# Altium PCB PLD.PcbDoc (part 5 of 5) (continued)
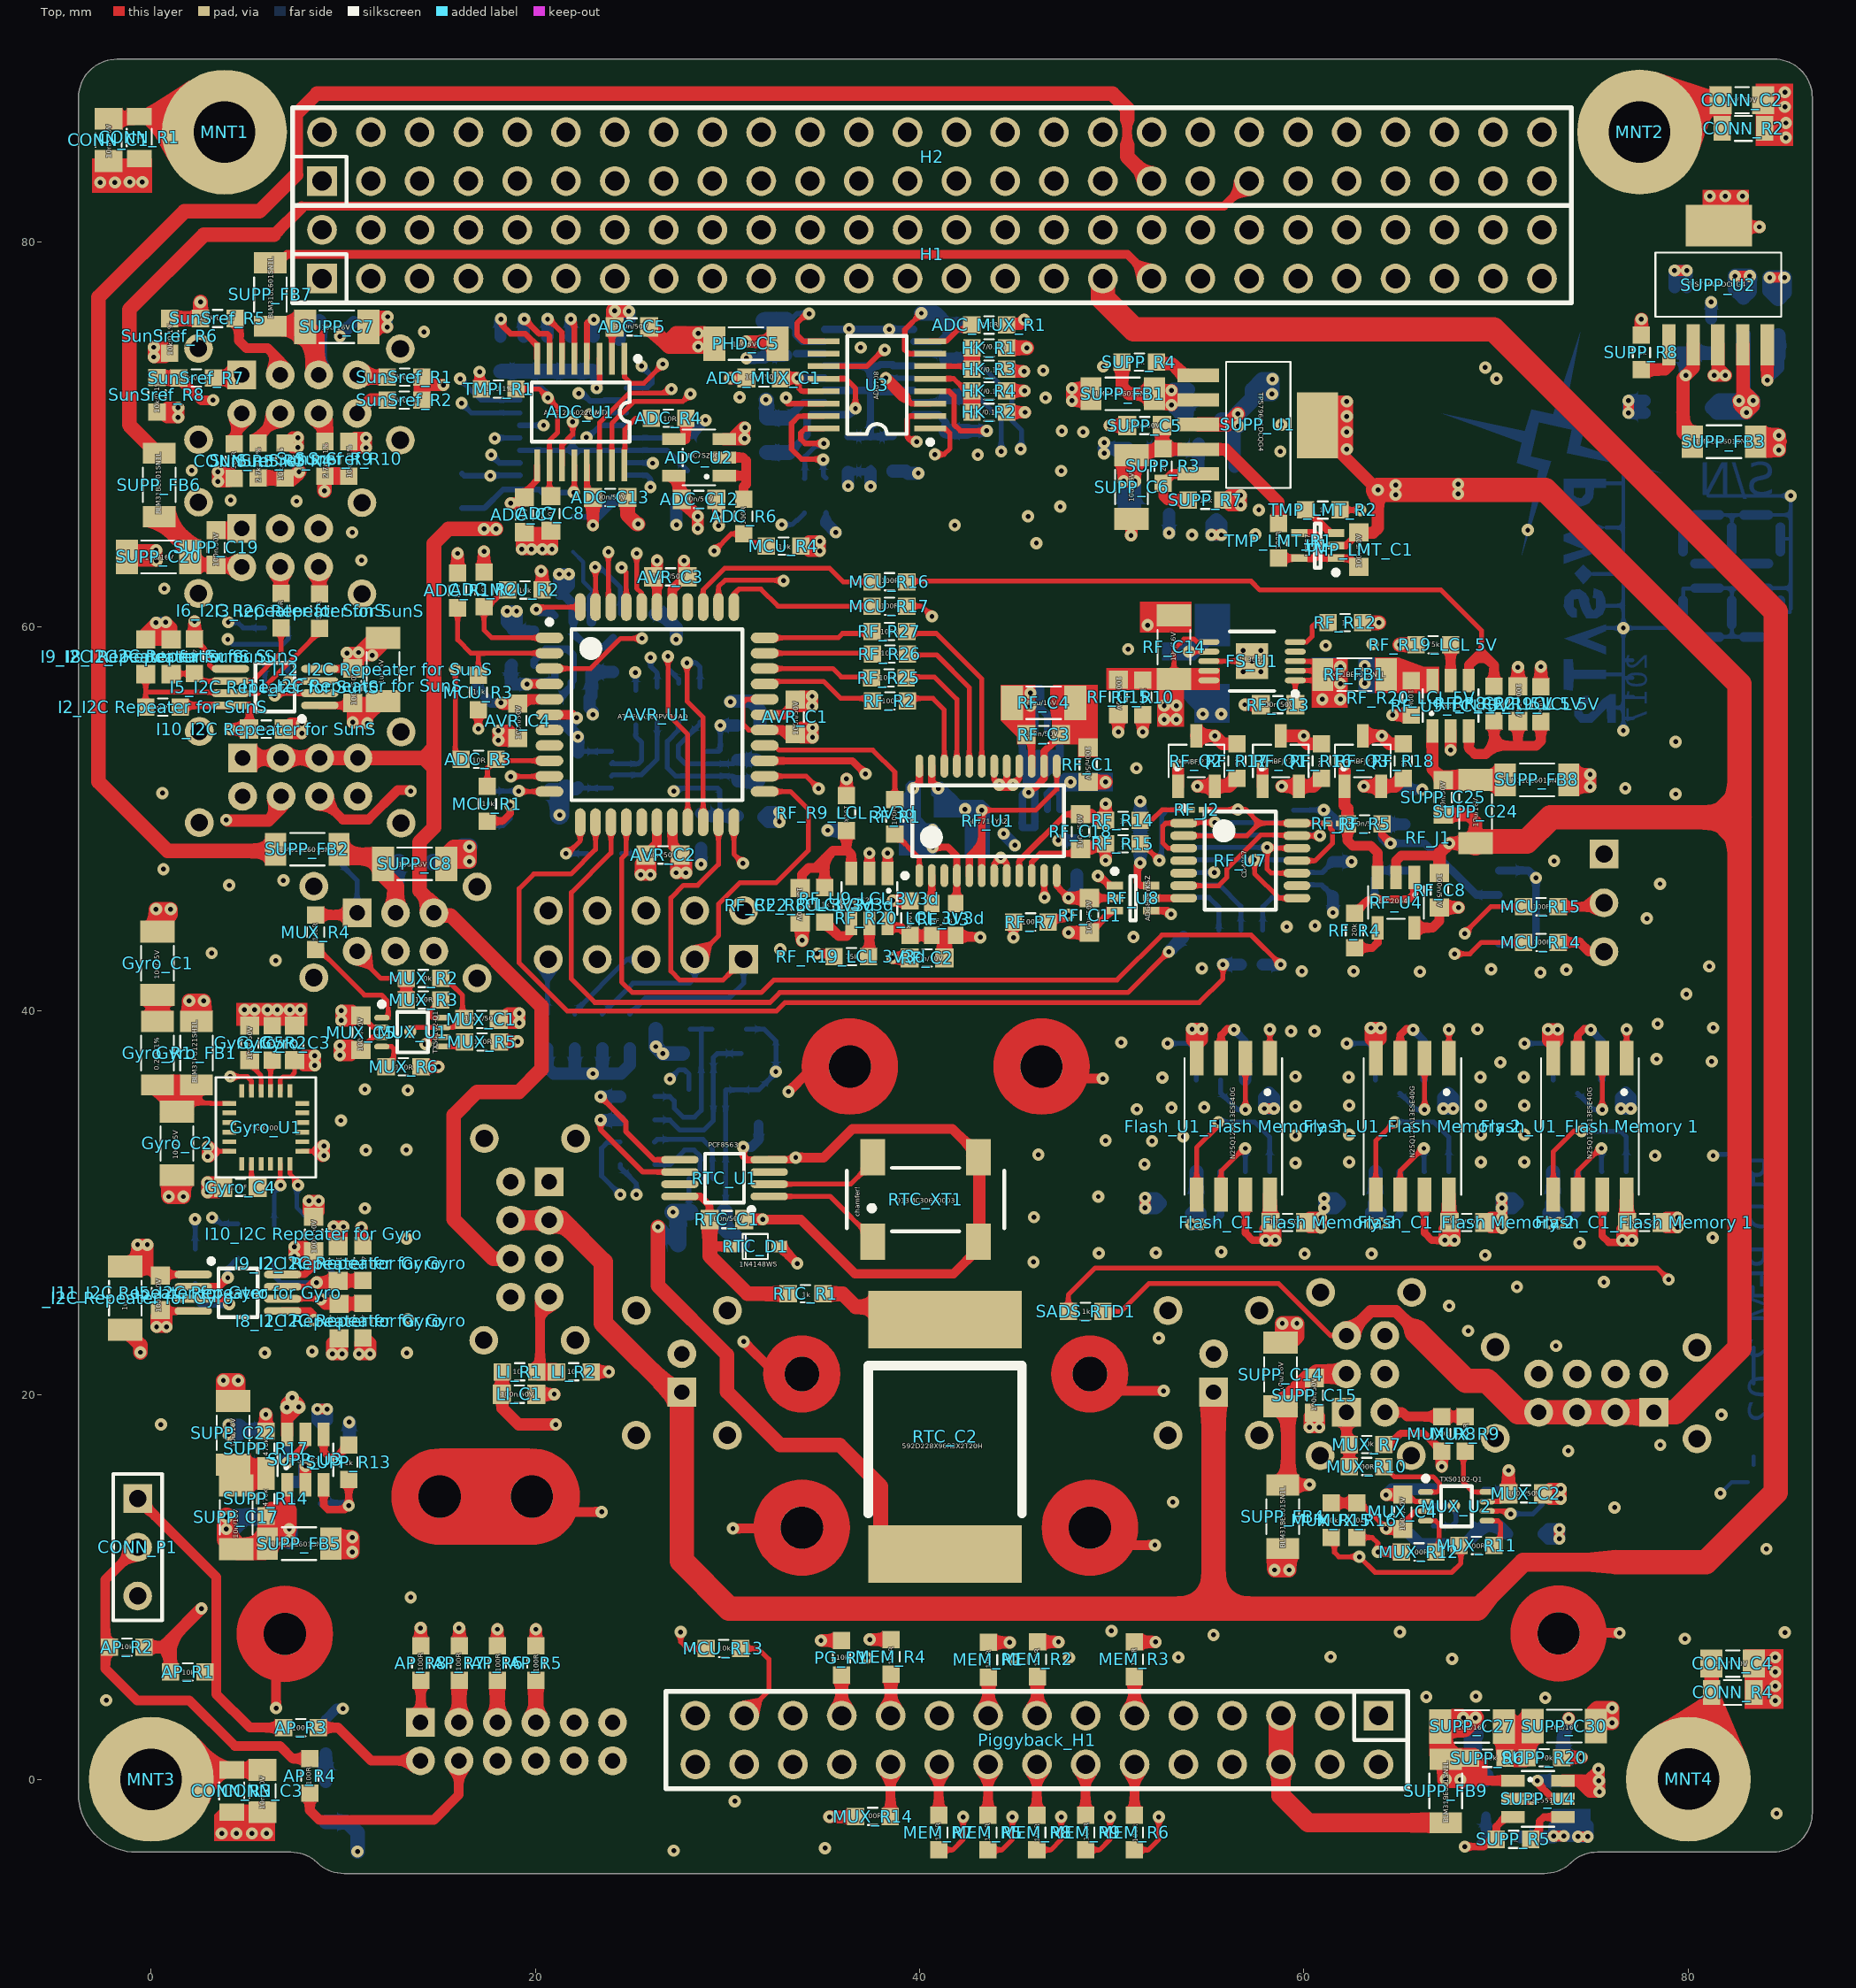
[diagram p0: Top view]
## Nets (pads, with @x,y where several pads share a name; then routed paths per layer and width w, separated by ;. In a path a pad name is that pad's centre, name@x,y a point inside that pad or via, vN(x,y) a via of type N, cw(c..) or ccw(c..) an arc to the next point about the centre after c; other vN are vias at no path point) (continued)
copper on no net: | length 12.1
  Bottom w0.203: 81.682,14.885 82.266,15.469 83.113,15.469 ; 83.134,23.466 83.134,23.927 ; 83.363,25.167 83.363,25.629 ; 83.388,30.959 83.388,31.42 ; 83.414,16.354 83.414,16.815 ; 83.414,20.595 83.414,22.479 ; 84.633,17.653 84.633,19.148 84.633,19.609 ; 84.633,26.412 84.633,28.829 ; 84.633,29.536 84.633,29.997
  Bottom w0.25: 81.301,32.537 83.16,32.537

## Polygon pours and split planes (outlines as drawn)
AGND on Signal2 "AGND" (solid, remove dead copper, pour order 30): -0.258,76.683 -0.258,67.183 16.684,67.183 16.684,63.818 21.434,63.818 21.434,66.599 49.196,66.599 50.624,64.37 65.198,64.37 65.198,73.762 42.254,73.762 36.877,76.683
RF_AGND on Signal2 "RF_AGND" (solid, remove dead copper, pour order 26): 43.557,52.071 43.557,43.689 63.68,43.689 68.542,53.613 65.566,60.58 51.138,60.58
DGND on Signal2 "S2_DGND" (solid, remove dead copper, pour order 36): -4.932,90.78 -4.932,-5.867 87.169,-5.867 87.169,90.78
AGND on Signal Layer 1 "AGND" (solid, remove dead copper, pour order 28): -0.258,76.683 -0.258,67.183 16.684,67.183 16.684,63.818 21.434,63.818 21.434,66.599 49.196,66.599 50.624,64.37 65.198,64.37 65.198,73.762 42.254,73.762 36.877,76.683
RF_AGND on Signal Layer 1 "RF_AGND" (solid, remove dead copper, pour order 24): 43.557,52.071 43.557,56.439 43.557,43.689 71.802,43.689 71.802,60.58 51.138,60.58
DGND on Signal Layer 1 "S1_DGND" (solid, remove dead copper, pour order 38): -4.932,90.78 -4.932,-5.867 87.169,-5.867 87.169,90.78
OBC_BUS_3V3 on Power "OBC_BUS_3V3" (solid, remove dead copper, pour order 12): 87.122,40.971 25.802,40.971 25.802,4.852 87.122,4.852
RAD_4V5A on Power "RAD_4V5A" (solid, remove dead copper, pour order 18): 47.113,43.155 47.24,43.282 47.24,56.846 70.1,56.846 70.1,43.282
DGND on Power "DGND" (solid, remove dead copper, pour order 42): -4.064,9.144 -4.064,-5.842 87.249,-5.842 87.249,4.318 58.547,4.318 58.547,6.223 53.971,11.024 26.289,11.024 26.289,9.144
OBC_PLD_3V3 on Power "OBC_PLD_3V3" (solid, remove dead copper, pour order 16): 25.802,4.852 25.802,40.92 25.802,55.271 -3.786,55.271 -3.786,4.852
SENS_3V3D on Power "SENS_3V3D" (solid, remove dead copper, pour order 14): 18.386,40.895 39.137,40.895 39.137,62.535 34.159,67.514 17.192,67.463 15.439,65.71 15.439,51.537 18.386,51.537
DGND on Power "DGND" (solid, remove dead copper, pour order 40): -4.191,55.626 14.986,55.626 14.986,65.913 17.018,67.945 34.29,67.945 39.687,62.547 39.687,41.402 87.122,41.402 87.122,90.297 -4.191,90.297
AGND on GND "AGND" (solid, remove dead copper, pour order 4): -0.258,76.683 -0.258,67.183 16.684,67.183 16.684,63.818 21.434,63.818 21.434,66.599 49.196,66.599 50.624,64.37 65.198,64.37 65.198,73.762 42.254,73.762 36.877,76.683
RF_AGND on GND "RF_AGND" (solid, remove dead copper, pour order 0): 43.557,52.071 43.557,56.439 43.557,43.689 63.68,43.689 68.542,53.613 65.566,60.58 51.138,60.58
DGND on GND "DGND" (solid, remove dead copper, pour order 8): -4.932,90.78 -4.932,-5.867 87.169,-5.867 87.169,90.78

## Other copper
Top:
  rectangle net DGND: 80.743,81.382 83.156,82.728
  region net AGND: 61.215,72.035 61.215,68.911 62.231,68.911 62.231,72.035
  region net RAD_4V5A: 52.371,56.719 52.371,54.788 53.742,54.788 53.742,56.719
  region net RF_AGND: 54.149,61.291 51.482,61.291 51.482,59.691 54.149,59.691
  region net NetRF_FB1_2: 67.027,57.913 66.265,57.913 64.944,58.395 63.699,58.395 63.699,56.541 67.027,56.541
  region net RAD_4V5A: 55.622,57.836 49.729,57.836 49.729,56.693 55.622,56.693
  region net NetFS_U1_1: 60.397,58.349 62.281,58.349 62.281,55.779 60.397,55.779
  region net NetADC_J2_2: 49.272,53.214 48.256,53.214 48.256,53.874 48.002,53.874 46.884,53.874 46.884,55.093 46.808,55.652 46.808,56.795 46.961,56.947 49.272,56.947
  region net NetRF_C3_1: 44.217,55.119 45.081,54.255 45.081,53.874 46.021,53.874 46.021,54.89 46.021,56.947 44.217,56.947
  region net DGND: 15.012,17.215 14.889,17.092 14.889,12.215 19.689,12.215 19.689,17.215
  region net DGND: 4.441,39.229 8.124,39.229 8.124,40.412 4.441,40.412
  region net AGND: 19.3,65.177 20.61,65.177 20.862,64.925 20.862,64.024 19.291,64.024
  region net NetSUPP_C17_2: 4.418,16.41 4.418,15.29 5.752,15.29 5.967,15.505 5.967,16.322
  region net DGND: 3.273,-1.849 3.801,-1.32 6.448,-1.32 6.448,-3.2 3.273,-3.2
  region net NetSUPP_C27_2: 70.403,2.754 70.467,2.69 70.467,1.093 71.588,1.093 71.613,1.118 71.573,1.158 71.573,2.754
  region net DGND: 82.952,3.684 82.952,6.757 84.959,6.757 84.959,3.684
  region net AGND: 13.661,53.165 14.752,54.256 14.697,52.13
  region net DGND: -3.077,84.354 0.047,84.354 0.047,82.576 -3.077,82.576
  region net DGND: 83.511,88.24 83.511,85.014 85.467,85.014 85.467,88.24
  region net SENS_4V1A: 23.897,76.099 24.863,76.099 24.863,76.709 23.924,76.709
  region net DGND: 79.295,78.264 79.93,78.264 79.93,78.798 79.295,78.798
  region net DGND: 84.248,77.905 84.883,77.905 84.883,78.438 84.248,78.438
  region net DGND: 82.575,77.981 83.21,77.981 83.21,78.514 82.575,78.514
  region net AGND: 55.192,64.51 55.827,64.51 55.827,65.044 55.192,65.044
  region net DGND: 8.647,19.002 9.282,19.002 9.282,19.536 8.647,19.536
  region net DGND: 3.764,18.451 3.764,17.816 4.298,17.816 4.298,18.451
  region net DGND: 73.004,-3.218 73.639,-3.218 73.639,-2.685 73.004,-2.685
  region net DGND: 74.268,-3.244 74.903,-3.244 74.903,-2.71 74.268,-2.71
  region net DGND: 73.557,12.525 73.557,13.16 73.024,13.16 73.024,12.525
  region net OBC_BUS_3V3: 54.126,28.633 54.761,28.633 54.761,29.167 54.126,29.167
  region net DGND: 51.995,29.733 51.995,30.368 51.461,30.368 51.461,29.733
  region net DGND: 58.441,35.174 57.806,35.174 57.806,34.641 58.441,34.641
  region net DGND: 70.038,30.201 70.038,29.566 70.571,29.566 70.571,30.201
  region net DGND: 70.038,29.733 70.038,29.098 70.571,29.098 70.571,29.733
  region net DGND: 76.632,71.756 76.632,71.121 77.165,71.121 77.165,71.756
  region net AGND: 80.702,50.063 82.468,51.829 82.468,48.298
  region net EPS_RTN: 74.676,11.786 76.251,11.938 76.276,11.862 76.276,10.668 74.676,10.82
  region net EPS_RTN: 70.053,9.22 69.52,8.509 68.961,8.332 68.961,9.526 69.825,10.185
  region net DGND: 6.954,5.071 cw(c6.954,7.571) 4.454,7.571 cw(c6.954,7.571) 6.954,10.071 cw(c6.954,7.571) 9.454,7.571 cw(c6.954,7.571)
  region net DGND: 15.012,12.215 cw(c15.012,14.715) 12.512,14.715 cw(c15.012,14.715) 15.012,17.215 cw(c15.012,14.715) 17.512,14.715 cw(c15.012,14.715)
  region net DGND: 17.312,14.715 ccw(c19.812,14.715) 19.812,12.215 ccw(c19.812,14.715) 22.312,14.715 ccw(c19.812,14.715) 19.812,17.215 ccw(c19.812,14.715)
  region net DGND: 31.364,13.1 ccw(c33.864,13.1) 33.864,10.6 ccw(c33.864,13.1) 36.364,13.1 ccw(c33.864,13.1) 33.864,15.6 ccw(c33.864,13.1)
  region net DGND: 31.864,21.1 ccw(c33.864,21.1) 33.864,19.1 ccw(c33.864,21.1) 35.864,21.1 ccw(c33.864,21.1) 33.864,23.1 ccw(c33.864,21.1)
  region net DGND: 46.854,21.1 ccw(c48.854,21.1) 48.854,19.099 ccw(c48.854,21.1) 50.854,21.1 ccw(c48.854,21.1) 48.854,23.1 ccw(c48.854,21.1)
  region net DGND: 46.36,13.1 ccw(c48.86,13.1) 48.86,10.6 ccw(c48.86,13.1) 51.36,13.1 ccw(c48.86,13.1) 48.86,15.6 ccw(c48.86,13.1)
  region net DGND: 43.841,37.1 ccw(c46.341,37.1) 46.341,34.6 ccw(c46.341,37.1) 48.841,37.1 ccw(c46.341,37.1) 46.341,39.6 ccw(c46.341,37.1)
  region net DGND: 36.364,34.6 cw(c36.364,37.1) 33.864,37.1 cw(c36.364,37.1) 36.364,39.6 cw(c36.364,37.1) 38.864,37.1 cw(c36.364,37.1)
  region net DGND: 70.756,7.589 ccw(c73.256,7.589) 73.256,5.089 ccw(c73.256,7.589) 75.756,7.589 ccw(c73.256,7.589) 73.256,10.089 ccw(c73.256,7.589)
Power:
  region net SENS_3V3D: 22.043,40.895 23.897,40.895 23.008,40.006 22.983,40.006
  region net SENS_4V1A: 24.024,76.124 24.964,76.124 24.99,76.15 24.99,76.683 24.024,76.683
  region net PC-104_EPS_Kill-Switch_Sec: 7.188,79.883 8.458,79.451 7.188,78.943
  region net SENS_3V3D: 82.067,71.349 82.645,70.771 83.404,70.771 83.404,71.462 82.498,72.368
Signal2:
  pour cut-out: 7.768,82.855 7.336,82.424 7.159,82.424 7.159,81.433 7.311,81.281 8.2,82.17 8.556,82.17
  pour cut-out: -0.744,58.998 -2.004,58.998 -2.188,59.183 -2.122,59.249 -1.135,59.249
Signal Layer 1:
  region net PC-104_EPS_MPPT_X: 7.188,79.781 8.255,79.38 7.188,79.07
GND:
  region net PC-104_EPS_Kill-Switch_Pri: 7.214,79.898 8.407,79.407 7.214,78.969
Bottom:
  region net OBC_BUS_3V3: 75.637,0.534 75.155,0.712 74.697,0.255 74.647,-0.279 75.256,-0.888 75.637,-0.711
  region net RF_AGND: 53.514,56.465 53.514,57.346 53.953,57.346 54.301,56.998 54.301,55.677
  region net RF_AGND: 54.301,56.998 54.301,54.992 56.13,54.992 56.13,56.998
  region net NetFS_U1_7: 54.327,61.164 56.155,61.164 56.155,58.979 54.352,58.979 54.327,58.979
  region net NetFS_U1_7: 52.625,59.157 52.625,58.243 54.327,58.243 55.216,59.132 56.155,59.132 56.155,60.3 54.327,60.3 54.327,59.36 54.123,59.157
  region net RF_AGND: 64.868,58.395 62.84,58.395 62.84,56.541 64.868,56.541
  region net RF_AGND: 64.868,58.395 62.84,58.395 62.84,56.541 64.868,56.541
  region net NetFS_U1_1: 60.397,58.395 62.255,58.395 62.255,55.779 60.397,55.779
  region net RF_AGND: 56.515,59.08 56.515,57.328 58.09,57.328 58.09,59.08
  region net RAD_4V5A: 47.452,51.215 47.672,51.436 50.034,51.436 50.034,52.375 47.469,52.375 46.453,51.359 46.453,51.191
  region net RAD_3V3D: 40.738,50.064 40.738,51.105 40.611,51.232 40.611,51.69 40.839,51.918 41.169,51.918 41.627,51.461 41.843,51.245 42.109,50.978 43.303,50.978 43.633,50.648 43.633,48.057 42.363,48.057 42.363,49.937 42.236,50.064
  region net DGND: 39.442,51.969 39.264,51.769 39.264,51.41 38.934,51.08 38.934,48.083 40.738,48.083 41.068,48.413 41.068,49.505 40.814,49.759 40.357,49.759 40.052,50.064 40.052,51.791 39.874,51.969
  region net NetADC_J2_2: 45.373,51.352 45.373,53.173 45.152,53.394 45.152,53.569 47.494,53.569 47.494,52.96 46.186,51.652 46.186,51.352
  region net NetRF_C3_1: 46.3,55.474 45.589,55.474 45.437,55.627 45.437,56.947 46.351,56.947 46.478,56.82 46.478,55.83 46.834,55.474 46.834,55.246 46.529,55.246
  region net DGND: 71.853,71.298 71.497,70.181 67.179,71.095 71.345,69.571 71.091,68.504 72.208,68.149 71.345,63.729 72.869,68.606 71.802,68.86 72.208,70.638 73.935,70.232 73.681,69.012 78.609,67.996 74.393,69.419 74.647,70.587 73.529,70.892 74.393,75.312 72.97,71.044
  region net DGND: 75.002,55.601 75.561,56.211 75.917,56.465 76.221,56.465 76.221,54.992 75.815,54.992 75.764,55.754 75.002,54.992 74.393,54.992 74.088,55.347 74.088,55.957 74.443,56.363 74.799,56.414 74.799,55.957 74.494,55.855 74.443,55.652 74.545,55.449 74.799,55.449
  region net DGND: 75.713,57.735 75.713,57.278 74.037,57.278 73.986,56.668 73.529,56.719 73.529,58.294 73.986,58.294 74.037,57.735
  region net DGND: 75.713,60.122 73.554,59.373 75.713,58.548 75.713,58.954 74.748,59.36 75.713,59.767
  region net DGND: 74.85,61.291 74.85,61.443 74.647,61.748 74.342,61.951 73.935,61.9 73.58,61.545 73.529,61.037 73.732,60.63 73.935,60.478 74.189,60.478 74.189,60.884 74.037,61.037 74.037,61.392 74.291,61.443 74.393,61.088 74.494,60.783 74.697,60.427 75.256,60.427 75.561,60.63 75.713,61.037 75.663,61.469 75.51,61.85 75.104,62.002 75.053,61.494 75.205,61.443 75.205,60.986 75.104,60.834 74.951,60.935
  region net DGND: 74.545,62.205 74.088,62.764 74.545,63.221 75.053,62.739
  region net DGND: 73.529,66.015 75.713,65.152 74.342,64.644 75.713,64.034 73.529,63.272 73.529,63.729 74.545,64.034 73.529,64.44 73.529,64.796 74.494,65.152 73.529,65.558
  region net DGND: 75.713,67.692 73.529,67.692 73.529,66.828 73.681,66.523 73.935,66.32 74.189,66.269 74.443,66.269 74.647,66.32 74.85,66.422 75.053,66.726 75.104,67.234 74.647,67.234 74.647,66.93 74.596,66.828 74.443,66.676 74.189,66.726 74.037,66.828 74.037,67.234 75.713,67.234
  region net AGND: 21.967,68.758 21.967,68.657 22.424,69.114 22.018,69.52 22.018,69.546 21.84,69.546 21.51,69.216
  region net NetSUPP_C28_2: 70.695,2.287 70.721,2.261 70.721,1.118 71.689,1.118 71.715,1.144 71.715,2.287
  region net DGND: 72.919,-1.549 72.919,-2.933 73.237,-3.251 74.901,-3.251 74.901,-1.549
  region net SENS_3V3D: 29.593,50.668 29.335,50.41 29.003,50.216 30.171,50.216 29.841,50.42
  region net OBC_PLD_3V3: 7.299,18.632 7.675,19.008 7.676,19.372 7.074,19.372 7.057,19.355
  region net AGND: 12.028,75.591 12.028,76.226 12.561,76.226 12.561,75.591
  region net AGND: -0.124,74.029 -0.124,74.664 0.409,74.664 0.409,74.029
  region net AGND: 1.141,70.883 1.141,71.518 1.675,71.518 1.675,70.883
  region net DGND: 0.012,63.424 0.012,64.059 0.546,64.059 0.546,63.424
  region net DGND: 0.758,59.962 0.123,59.962 0.123,60.495 0.758,60.495
  region net DGND: 81.936,72.814 81.301,72.814 81.301,73.348 81.936,73.348
  region net DGND: 11.502,58.387 10.156,58.387 10.156,58.921 11.463,58.921 11.76,58.623
  region net DGND: 17.808,54.079 17.808,54.714 18.342,54.714 18.342,54.079
  region net SENS_3V3D: 34.161,54.232 34.161,54.867 34.695,54.867 34.695,54.232
  region net DGND: 34.136,55.857 34.136,56.492 34.669,56.492 34.669,55.857
  region net SENS_3V3D: 28.182,65.101 28.182,65.736 28.715,65.736 28.715,65.101
  region net DGND: 29.274,65.253 29.274,65.888 29.808,65.888 29.808,65.253
  region net DGND: 30.62,69.774 30.62,70.409 31.154,70.409 31.154,69.774
  region net SENS_3V3D: 34.542,63.935 34.542,64.57 35.076,64.57 35.076,63.935
  region net STACK_SENS_5V: 47.664,71.756 47.664,72.391 48.197,72.391 48.197,71.756
  region net AGND: 64.513,66.856 64.513,67.491 65.046,67.491 65.046,66.856
  region net AGND: 67.764,66.906 67.764,67.541 68.298,67.541 68.298,66.906
  region net STACK_SENS_5V: 84.467,69.19 84.467,69.825 85,69.825 85,69.19
  region net AGND: 56.447,66.322 56.447,66.957 56.98,66.957 56.98,66.322
  text "S/N" at 84.545,66.827 h1.7
  text "2017" at 78.213,58.61 h1.8 r90
  text "PLD PFM 2.02" at 84.633,32.512 h1.5 r90

## Silkscreen, mask and mechanical layers (free items; w line width, h text height)
Top Overlay:
  text "10n/100V" at 81.835,87.275 h0.25
  text "1k" at 82.724,85.802 h0.25
  text "1k" at -0.497,85.301 h0.25 r90
  text "10n/100V" at -2.083,84.379 h0.25 r90
  text "TPS79601DCQG4" at 79.93,77.674 h0.25
  text "BLM31BE601SN1L" at 6.35,76.022 h0.25 r90
  text "2.7k/0.1%" at 2.489,75.921 h0.25
  text "330R" at 43.155,75.59 h0.25
  text "100n/50V" at 24.13,75.489 h0.25
  text "10u/16V" at 8.865,75.438 h0.25
  text "1u/25V" at 30.251,74.574 h0.25
  text "4k7/0.1%" at 42.799,74.422 h0.25
  text "1k" at 77.415,74.143 h0.25
  text "10k/0.1%" at 1.118,74.117 h0.25 r90
  text "1k" at 51.279,73.635 h0.25
  text "4k7/0.1%" at 42.647,73.228 h0.25
  text "2.7k/0.1%" at 12.192,72.873 h0.25
  text "100n/50V" at 30.912,72.873 h0.25
  text "2.7k/0.1%" at 1.295,72.822 h0.25
  text "1k/0.1%" at 17.374,72.238 h0.25
  text "TPS79601DCQG4" at 57.648,72.186 h0.25 r270
  text "4k7/0.1%" at 42.647,72.111 h0.25
  text "BLM31BE601SN1L" at 48.946,71.984 h0.25
  text "ADG708" at 37.871,71.806 h0.25 r90
  text "10k/0.1%" at 12.319,71.653 h0.25
  text "10k/0.1%" at 0.432,71.12 h0.25 r90
  text "4k7/0.1%" at 42.596,71.018 h0.25
  text "ADC128S022CIMTX" at 20.447,70.993 h0.25
  text "10R" at 26.645,70.688 h0.25
  text "100n/50V" at 50.775,70.333 h0.25
  text "BLM31BE601SN1L" at 80.209,69.495 h0.25
  text "NC7SZ00" at 27.94,68.758 h0.25
  text "100R" at 4.428,68.174 h0.25 r90
  text "27k" at 52.807,68.047 h0.25 r90
  text "2.7k/0.1%" at 9.195,67.742 h0.25 r90
  text "10k/0.1%" at 10.439,67.742 h0.25 r90
  text "10k/0.1%" at 6.883,67.589 h0.25 r90
  text "2.7k/0.1%" at 5.69,67.513 h0.25 r90
  text "100n/50V" at 22.962,66.599 h0.25
  text "100n/50V" at 27.534,66.523 h0.25
  text "10u/16V" at 51.152,66.497 h0.25 r90
  text "10k" at 54.585,66.446 h0.25
  text "10n" at 20.676,66.192 h0.25 r270
  text "10n" at 19.304,66.142 h0.25 r270
  text "1k" at 60.829,65.939 h0.25
  text "BLM31BE601SN1L" at 0.508,65.837 h0.25 r90
  text "100R" at 30.963,65.303 h0.25 r90
  text "10k" at 32.639,64.033 h0.25
  text "100R" at 58.801,64.008 h0.25 r90
  text "LMT87" at 60.325,63.652 h0.25 r90
  text "10u/16V" at -0.33,63.475 h0.25
  text "100n/50V" at 3.48,63.119 h0.25 r90
  text "100n/50V" at 62.992,63.068 h0.25 r90
  text "100n/50V" at 26.06,62.484 h0.25
  text "100R" at 37.998,62.247 h0.25
  text "10R" at 17.221,62.23 h0.25 r270
  text "10R" at 15.824,62.179 h0.25 r270
  text "10k" at 19.126,61.747 h0.25
  text "100R" at 37.973,60.951 h0.25
  text "100R" at 6.867,60.401 h0.25 r90
  text "100R" at 8.848,60.35 h0.25 r90
  text "1k" at 61.976,60.071 h0.25
  text "100R" at 37.948,59.605 h0.25
  text "75k" at 66.421,58.928 h0.25
  text "4k7" at 2.13,58.801 h0.25 r270
  text "10p" at 0.889,58.75 h0.25 r270
  text "10p" at -0.432,58.725 h0.25 r270
  text "100R" at 37.973,58.487 h0.25
  text "10u/16V" at 53.34,58.191 h0.25 r90
  text "LT3042" at 56.667,58.166 h0.25
  text "100n/50V" at 50.241,57.404 h0.25 r270
  text "BLM31BE601SN1L" at 61.036,57.379 h0.25
  text "100R" at 37.897,57.217 h0.25
  text "100n/50V" at 71.069,57.023 h0.25 r270
  text "1u/25V" at 12.09,56.998 h0.25 r90
  text "100k" at 51.511,56.794 h0.25 r270
  text "100k" at 65.456,56.693 h0.25 r270
  text "PCA9517" at 5.639,56.617 h0.25
  text "10k" at 16.739,56.464 h0.25
  text "100k" at 72.212,56.388 h0.25 r270
  text "100R" at 38.024,55.998 h0.25
  text "100n/50V" at 10.668,55.905 h0.25 r90
  text "10u/16V" at 45.618,55.905 h0.25
  text "1k" at 69.774,55.855 h0.25
  text "100n/50V" at 57.734,55.804 h0.25
  text "TPS2551" at 66.827,55.753 h0.25
  text "4k7" at 0.229,55.626 h0.25
  text "ATMEGA164PV-10AQ" at 24.282,55.194 h0.25
  text "100n/50V" at 5.004,54.559 h0.25
  text "100n/50V" at 33.68,54.356 h0.25 r90
  text "100n/50V" at 45.466,54.28 h0.25
  text "100n/50V" at 19.228,54.127 h0.25 r90
  text "100n/50V" at 48.641,53.746 h0.25 r270
  text "NC" at 56.413,53.238 h0.25 r270
  text "NC" at 65.075,53.188 h0.25 r270
  text "NC" at 60.782,53.162 h0.25 r270
  text "10R" at 16.713,52.908 h0.25
  text "MMBFJ270" at 57.836,52.857 h0.25
  text "MMBFJ270" at 62.103,52.857 h0.25
  text "MMBFJ270" at 53.467,52.832 h0.25
  text "BLM31BE601SN1L" at 70.383,51.867 h0.25
  text "100k" at 36.093,50.698 h0.25 r270
  text "10k" at 17.221,50.648 h0.25
  text "100n/50V" at 67.361,50.19 h0.25 r90
  text "1k" at 50.419,49.759 h0.25
  text "AD7714YRZ" at 42.494,49.733 h0.25
  text "100R" at 38.82,49.657 h0.25 r90
  text "100n/50V" at 62.281,49.606 h0.25
  text "10u/16V" at 69.063,49.555 h0.25 r90
  text "1k" at 50.444,48.565 h0.25
  text "100n/50V" at 48.489,48.463 h0.25 r90
  text "BLM31BE601SN1L" at 6.502,48.26 h0.25
  text "100n/50V" at 25.629,47.981 h0.25
  text "10u/16V" at 12.852,47.498 h0.25
  text "100n/50V" at 66.954,47.117 h0.25 r270
  text "CD4007" at 57.023,46.914 h0.25 r90
  text "100n/50V" at 33.63,46.406 h0.25 r270
  text "TPS2551" at 36.525,45.618 h0.25
  text "LTC2054" at 63.881,45.593 h0.25
  text "1k" at 34.9,45.39 h0.25
  text "100R" at 71.907,45.288 h0.25
  text "100k" at 39.345,45.161 h0.25 r270
  text "ADG849YKSZ" at 51.994,44.653 h0.25 r90
  text "RF_U3" at 40.615,44.552 h0.25
  text "100R" at 45.314,44.492 h0.25
  text "100n/50V" at 48.946,43.993 h0.25 r90
  text "20k" at 62.763,43.866 h0.25 r90
  text "100R" at 8.67,43.637 h0.25 r90
  text "100R" at 71.933,43.434 h0.25
  text "75k" at 36.144,42.672 h0.25
  text "100n/50V" at 39.472,42.596 h0.25
  text "10u/25V" at 0.432,41.656 h0.25 r90
  text "10k" at 13.945,41.554 h0.25
  text "100R" at 13.741,40.453 h0.25
  text "100n/50V" at 16.307,39.472 h0.25
  text "10k" at 6.223,38.633 h0.25 r270
  text "10n" at 7.391,38.608 h0.25 r270
  text "100R" at 16.789,38.269 h0.25
  text "100n/50V" at 11.024,37.897 h0.25 r90
  text "TXS0102-Q1" at 14.91,37.77 h0.25 r90
  text "100n/50V" at 5.258,37.44 h0.25 r90
  text "100R" at 12.7,36.923 h0.25
  text "0.22R/1%" at 0.406,36.906 h0.25 r90
  text "BLM31PG121SH1L" at 2.388,36.246 h0.25 r90
  text "ITG3200" at 5.131,33.782 h0.25
  text "PCF8563" at 29.007,32.893 h0.25
  text "N25Q128A13ESE40G" at 65.761,32.334 h0.25 r90
  text "10u/25V" at 1.397,32.283 h0.25 r90
  text "N25Q128A13ESE40G" at 56.413,32.283 h0.25 r90
  text "N25Q128A13ESE40G" at 75.006,32.283 h0.25 r90
  text "2.2nF" at 3.988,30.683 h0.25
  text "Q13MC30610003" at 38.735,29.997 h0.25
  text "chamfer!" at 36.881,29.286 h0.25 r90
  text "100n/50V" at 29.058,29.058 h0.25
  text "100n/50V" at 58.217,28.88 h0.25
  text "100n/50V" at 67.437,28.88 h0.25
  text "100n/50V" at 76.759,28.829 h0.25
  text "100n/50V" at 8.611,27.381 h0.25 r90
  text "4k7" at 10.922,27.203 h0.25 r270
  text "10p" at 9.652,27.178 h0.25 r270
  text "1N4148WS" at 30.607,26.67 h0.25
  text "PCA9517" at 3.708,25.146 h0.25
  text "1k" at 33.884,25.095 h0.25
  text "1u/25V" at -1.245,24.409 h0.25 r90
  text "100n/50V" at 0.508,24.308 h0.25 r90
  text "1k" at 48.463,24.206 h0.25
  text "4k7" at 10.897,24.181 h0.25 r270
  text "10p" at 9.677,24.155 h0.25 r270
  text "10k" at 18.821,21.082 h0.25
  text "10k" at 21.666,21.082 h0.25
  text "10u/16V" at 58.928,20.218 h0.25 r90
  text "100n/50V" at 18.186,19.914 h0.25
  text "100n/50V" at 60.655,19.152 h0.25 r90
  text "10k" at 66.904,17.856 h0.25
  text "100R" at 68.563,17.577 h0.25 r90
  text "10k" at 62.992,17.323 h0.25
  text "10u/16V" at 4.394,17.297 h0.25 r90
  text "592D228X96R3X2T20H" at 39.091,17.221 h0.25
  text "470k" at 6.096,16.815 h0.25 r90
  text "TPS2551" at 7.188,16.459 h0.25
  text "1k" at 10.084,16.332 h0.25
  text "100R" at 62.738,16.146 h0.25
  text "TXS0102-Q1" at 67.081,15.494 h0.25
  text "100n/50V" at 70.587,14.757 h0.25
  text "470k" at 6.071,14.199 h0.25 r90
  text "10k" at 61.112,13.36 h0.25
  text "10k" at 62.484,13.36 h0.25
  text "100n/50V" at 65.253,12.929 h0.25 r90
  text "10u/16V" at 4.521,12.548 h0.25 r90
  text "BLM31BE601SN1L" at 6.071,12.116 h0.25
  text "BLM31BE601SN1L" at 59.03,12.04 h0.25 r90
  text "100R" at 68.504,12.005 h0.25
  text "100R" at 65.532,11.701 h0.25
  text "10k" at -1.6,6.756 h0.25
  text "10k" at 29.515,6.706 h0.25
  text "10k" at 35.662,6.223 h0.25
  text "100R" at 38.642,5.969 h0.25 r90
  text "100R" at 51.291,5.893 h0.25 r90
  text "10n/100V" at 81.352,5.893 h0.25
  text "100R" at 46.237,5.867 h0.25 r90
  text "100R" at 43.722,5.766 h0.25 r90
  text "100R" at 14.157,5.639 h0.25 r90
  text "100R" at 16.138,5.639 h0.25 r90
  text "100R" at 18.17,5.588 h0.25 r90
  text "100R" at 20.151,5.563 h0.25 r90
  text "10k" at 1.6,5.436 h0.25
  text "1k" at 82.165,4.395 h0.25
  text "100R" at 7.341,2.557 h0.25
  text "10u/16V" at 67.996,2.565 h0.25
  text "10u/16V" at 72.796,2.565 h0.25
  text "470k" at 69.164,0.991 h0.25
  text "470k" at 72.085,0.991 h0.25
  text "100R" at 8.315,-0.305 h0.25 r90
  text "1k" at 4.314,-0.761 h0.25 r90
  text "TPS2551" at 71.425,-1.219 h0.25
  text "10n/100V" at 5.914,-1.574 h0.25 r90
  text "100R" at 37.109,-2.041 h0.25
  text "BLM31BE601SN1L" at 67.513,-2.261 h0.25 r90
  text "100R" at 41.081,-3.2 h0.25 r90
  text "100R" at 48.802,-3.2 h0.25 r90
  text "100R" at 43.671,-3.226 h0.25 r90
  text "100R" at 46.237,-3.251 h0.25 r90
  text "100R" at 51.368,-3.277 h0.25 r90
  text "1k" at 70.714,-3.277 h0.25
Bottom Overlay:
  text "100n/50V" at 82.982,77.058 h0.25 r90
  text "10u/16V" at 79.731,76.81 h0.25 r90
  text "13k" at 84.836,76.352 h0.25 r90
  text "100n/50V" at 81.28,76.073 h0.25 r90
  text "100n/50V" at 10.516,75.717 h0.25
  text "1u/25V" at 26.772,74.778 h0.25
  text "10n" at 20.701,74.524 h0.25 r90
  text "10n" at 18.288,74.498 h0.25 r90
  text "10n" at 19.507,74.498 h0.25 r90
  text "10n" at 21.946,74.498 h0.25 r90
  text "10n" at 23.139,74.498 h0.25 r90
  text "100n/50V" at 32.918,74.117 h0.25 r270
  text "1.0k/0.1%" at 31.801,74.041 h0.25 r270
  text "22k" at 84.12,73.939 h0.25
  text "100n/50V" at 41.3,73.889 h0.25 r270
  text "1.0k/0.1%" at 42.494,73.711 h0.25 r270
  text "100n/50V" at 32.791,72.822 h0.25
  text "LTC6079" at 37.215,72.669 h0.25 r270
  text "10u/16V" at 56.464,72.238 h0.25
  text "10u/16V" at 80.416,71.196 h0.25
  text "100n/50V" at 55.728,70.637 h0.25
  text "100n/50V" at 42.418,70.18 h0.25 r270
  text "ADG708" at 22.597,70.053 h0.25
  text "1.0k/0.1%" at 41.224,70.053 h0.25 r270
  text "100n/50V" at 56.337,69.393 h0.25
  text "100n/50V" at 33.045,69.012 h0.25 r270
  text "1.0k/0.1%" at 31.928,68.936 h0.25 r270
  text "100n/50V" at 27.762,68.224 h0.25 r270
  text "100n/50V" at 37.313,68.224 h0.25 r270
  text "47k/0.1%" at 38.456,68.199 h0.25 r270
  text "1.0k/0.1%" at 36.119,68.123 h0.25 r270
  text "33R" at 51.156,67.894 h0.25 r90
  text "10k" at 16.332,67.31 h0.25 r90
  text "LM4040-4.1V" at 56.744,66.751 h0.25
  text "10k" at 35.408,66.726 h0.25
  text "10k" at 34.163,66.7 h0.25
  text "10u/16V" at 52.857,66.624 h0.25 r270
  text "1u/25V" at 26.391,66.37 h0.25
  text "100R" at 22.073,65.275 h0.25 r90
  text "DNC" at 21.869,61.824 h0.25 r180
  text "10k" at 25.578,60.554 h0.25
  text "100n/50V" at 18.821,59.842 h0.25 r90
  text "100R" at 7.273,59.512 h0.25 r90
  text "100R" at 6.054,59.461 h0.25 r90
  text "100n/50V" at 24.181,59.436 h0.25 r90
  text "DNC" at 20.066,59.207 h0.25 r90
  text "TPS3813" at 22.835,58.801 h0.25
  text "4.7u" at 55.143,57.607 h0.25 r270
  text "45k" at 52.934,57.455 h0.25 r270
  text "1u/25V" at 63.313,57.353 h0.25
  text "10k" at 18.085,56.896 h0.25
  text "100R" at 27.593,56.617 h0.25 r90
  text "100R" at 26.476,56.363 h0.25 r90
  text "100R" at 28.711,56.337 h0.25 r90
  text "100R" at 25.333,56.261 h0.25 r90
  text "100R" at 22.352,56.159 h0.25
  text "1u/25V" at 20.701,53.848 h0.25 r90
  text "10p" at 31.674,53.721 h0.25 r270
  text "4k7" at 30.353,53.67 h0.25 r270
  text "100n/50V" at 22.327,53.442 h0.25 r90
  text "LTC6655-2.5" at 47.65,52.4 h0.25
  text "PCA9517" at 27.229,52.324 h0.25
  text "10k" at 17.78,50.825 h0.25 r90
  text "4k7" at 30.404,50.698 h0.25 r270
  text "10p" at 31.674,50.648 h0.25 r270
  text "10k" at 65.43,50.495 h0.25
  text "100n/50V" at 41.326,50.47 h0.25
  text "100n/50V" at 28.727,50.19 h0.25 r90
  text "10k" at 36.474,50.165 h0.25
  text "100n/50V" at 51.46,49.784 h0.25
  text "100n/50V" at 64.16,49.581 h0.25
  text "ADG709" at 56.845,48.946 h0.25 r90
  text "100n/50V" at 48.26,48.895 h0.25 r90
  text "1u/25V" at 41.961,48.844 h0.25
  text "100n/50V" at 51.486,48.59 h0.25
  text "10k" at 23.901,48.057 h0.25
  text "100n/50V" at 61.646,47.727 h0.25 r90
  text "10k" at 10.947,47.676 h0.25
  text "100n/50V" at 14.757,47.625 h0.25
  text "LT1634AIS8-1.25" at 69.545,45.263 h0.25
  text "100R" at 56.854,43.84 h0.25 r90
  text "100R" at 57.997,43.79 h0.25 r90
  text "100R" at 55.016,43.73 h0.25
  text "10p" at 27.432,38.938 h0.25
  text "4k7" at 30.455,38.913 h0.25
  text "10k" at 20.904,38.837 h0.25
  text "10k" at 22.352,38.837 h0.25
  text "10k" at 23.774,38.837 h0.25
  text "10k" at 25.273,38.633 h0.25
  text "10p" at 28.854,37.694 h0.25
  text "4k7" at 32.004,37.643 h0.25
  text "100n/50V" at 31.775,35.916 h0.25 r90
  text "100R" at 25.705,35.373 h0.25
  text "100R" at 25.756,34.205 h0.25
  text "FM25W256" at 75.768,33.934 h0.25
  text "FM25W256" at 66.548,33.909 h0.25
  text "FM25W256" at 57.302,33.884 h0.25
  text "PCA9517" at 29.718,33.426 h0.25
  text "100R" at 25.756,33.037 h0.25
  text "100R" at 25.781,31.868 h0.25
  text "100n/50V" at 72.898,29.87 h0.25
  text "100n/50V" at 54.381,29.845 h0.25
  text "100n/50V" at 63.754,29.845 h0.25
  text "100n/50V" at 29.845,29.439 h0.25
  text "100R" at 8.594,28.499 h0.25 r90
  text "100R" at 4.581,28.448 h0.25 r90
  text "100R" at 6.486,28.372 h0.25 r90
  text "1u/25V" at 29.76,27.737 h0.25
  text "100R" at 2.422,27.153 h0.25 r90
  text "100n/50V" at 8.915,18.288 h0.25
  text "100n/50V" at 4.978,18.263 h0.25 r90
  text "100n/50V" at 10.414,17.755 h0.25 r90
  text "470k" at 6.096,17.678 h0.25 r90
  text "47k" at 7.188,16.764 h0.25 r90
  text "100n/50V" at 5.004,15.367 h0.25 r90
  text "470k" at 6.096,15.011 h0.25 r90
  text "100R" at 71.984,14.952 h0.25
  text "100k" at 8.382,14.224 h0.25
  text "NC7SZ00" at 68.453,14.046 h0.25
  text "100n/50V" at 72.415,12.675 h0.25
  text "100R" at 9.178,2.667 h0.25 r90
  text "100n/50V" at 73.533,2.21 h0.25
  text "100n/50V" at 70.688,2.184 h0.25
  text "470k" at 73.076,1.016 h0.25
  text "470k" at 70.256,0.965 h0.25
  text "100n/50V" at 74.651,-0.025 h0.25 r90
  text "LED BLUE" at 9.169,-0.305 h0.25 r90
  text "100k" at 69.52,-0.584 h0.25 r90
  text "47k" at 73.406,-0.686 h0.25 r90
  text "100n/50V" at 71.272,-3.124 h0.25
Mechanical 1:
  the board outline again, w0.127

## Text inside footprints (layer, text, board x,y; h text height)
Gyro_U1: Mechanical 13 "+Z" at 3.057,35.21 h0.5 r180; Mechanical 13 "+Y" at 2.215,32.385 h0.5 r180; Mechanical 13 "+X" at 1.867,33.685 h0.5 r180